# Altium PCB EE4951_BPM_REVA.PcbDoc (part 2 of 3)
Units mil, origin at the board's own origin, x right, y up, seen from the top; angles counter-clockwise.
Board outline 2500 x 2000 mil, 4 copper layers (Top Layer, Ground Plane, Mid Layer 1, Bottom Layer), stack 30.634 mil thick; 227 components, 141 nets, 756 pads, 403 vias.
Unrouted connection lines stored in the file: 7.
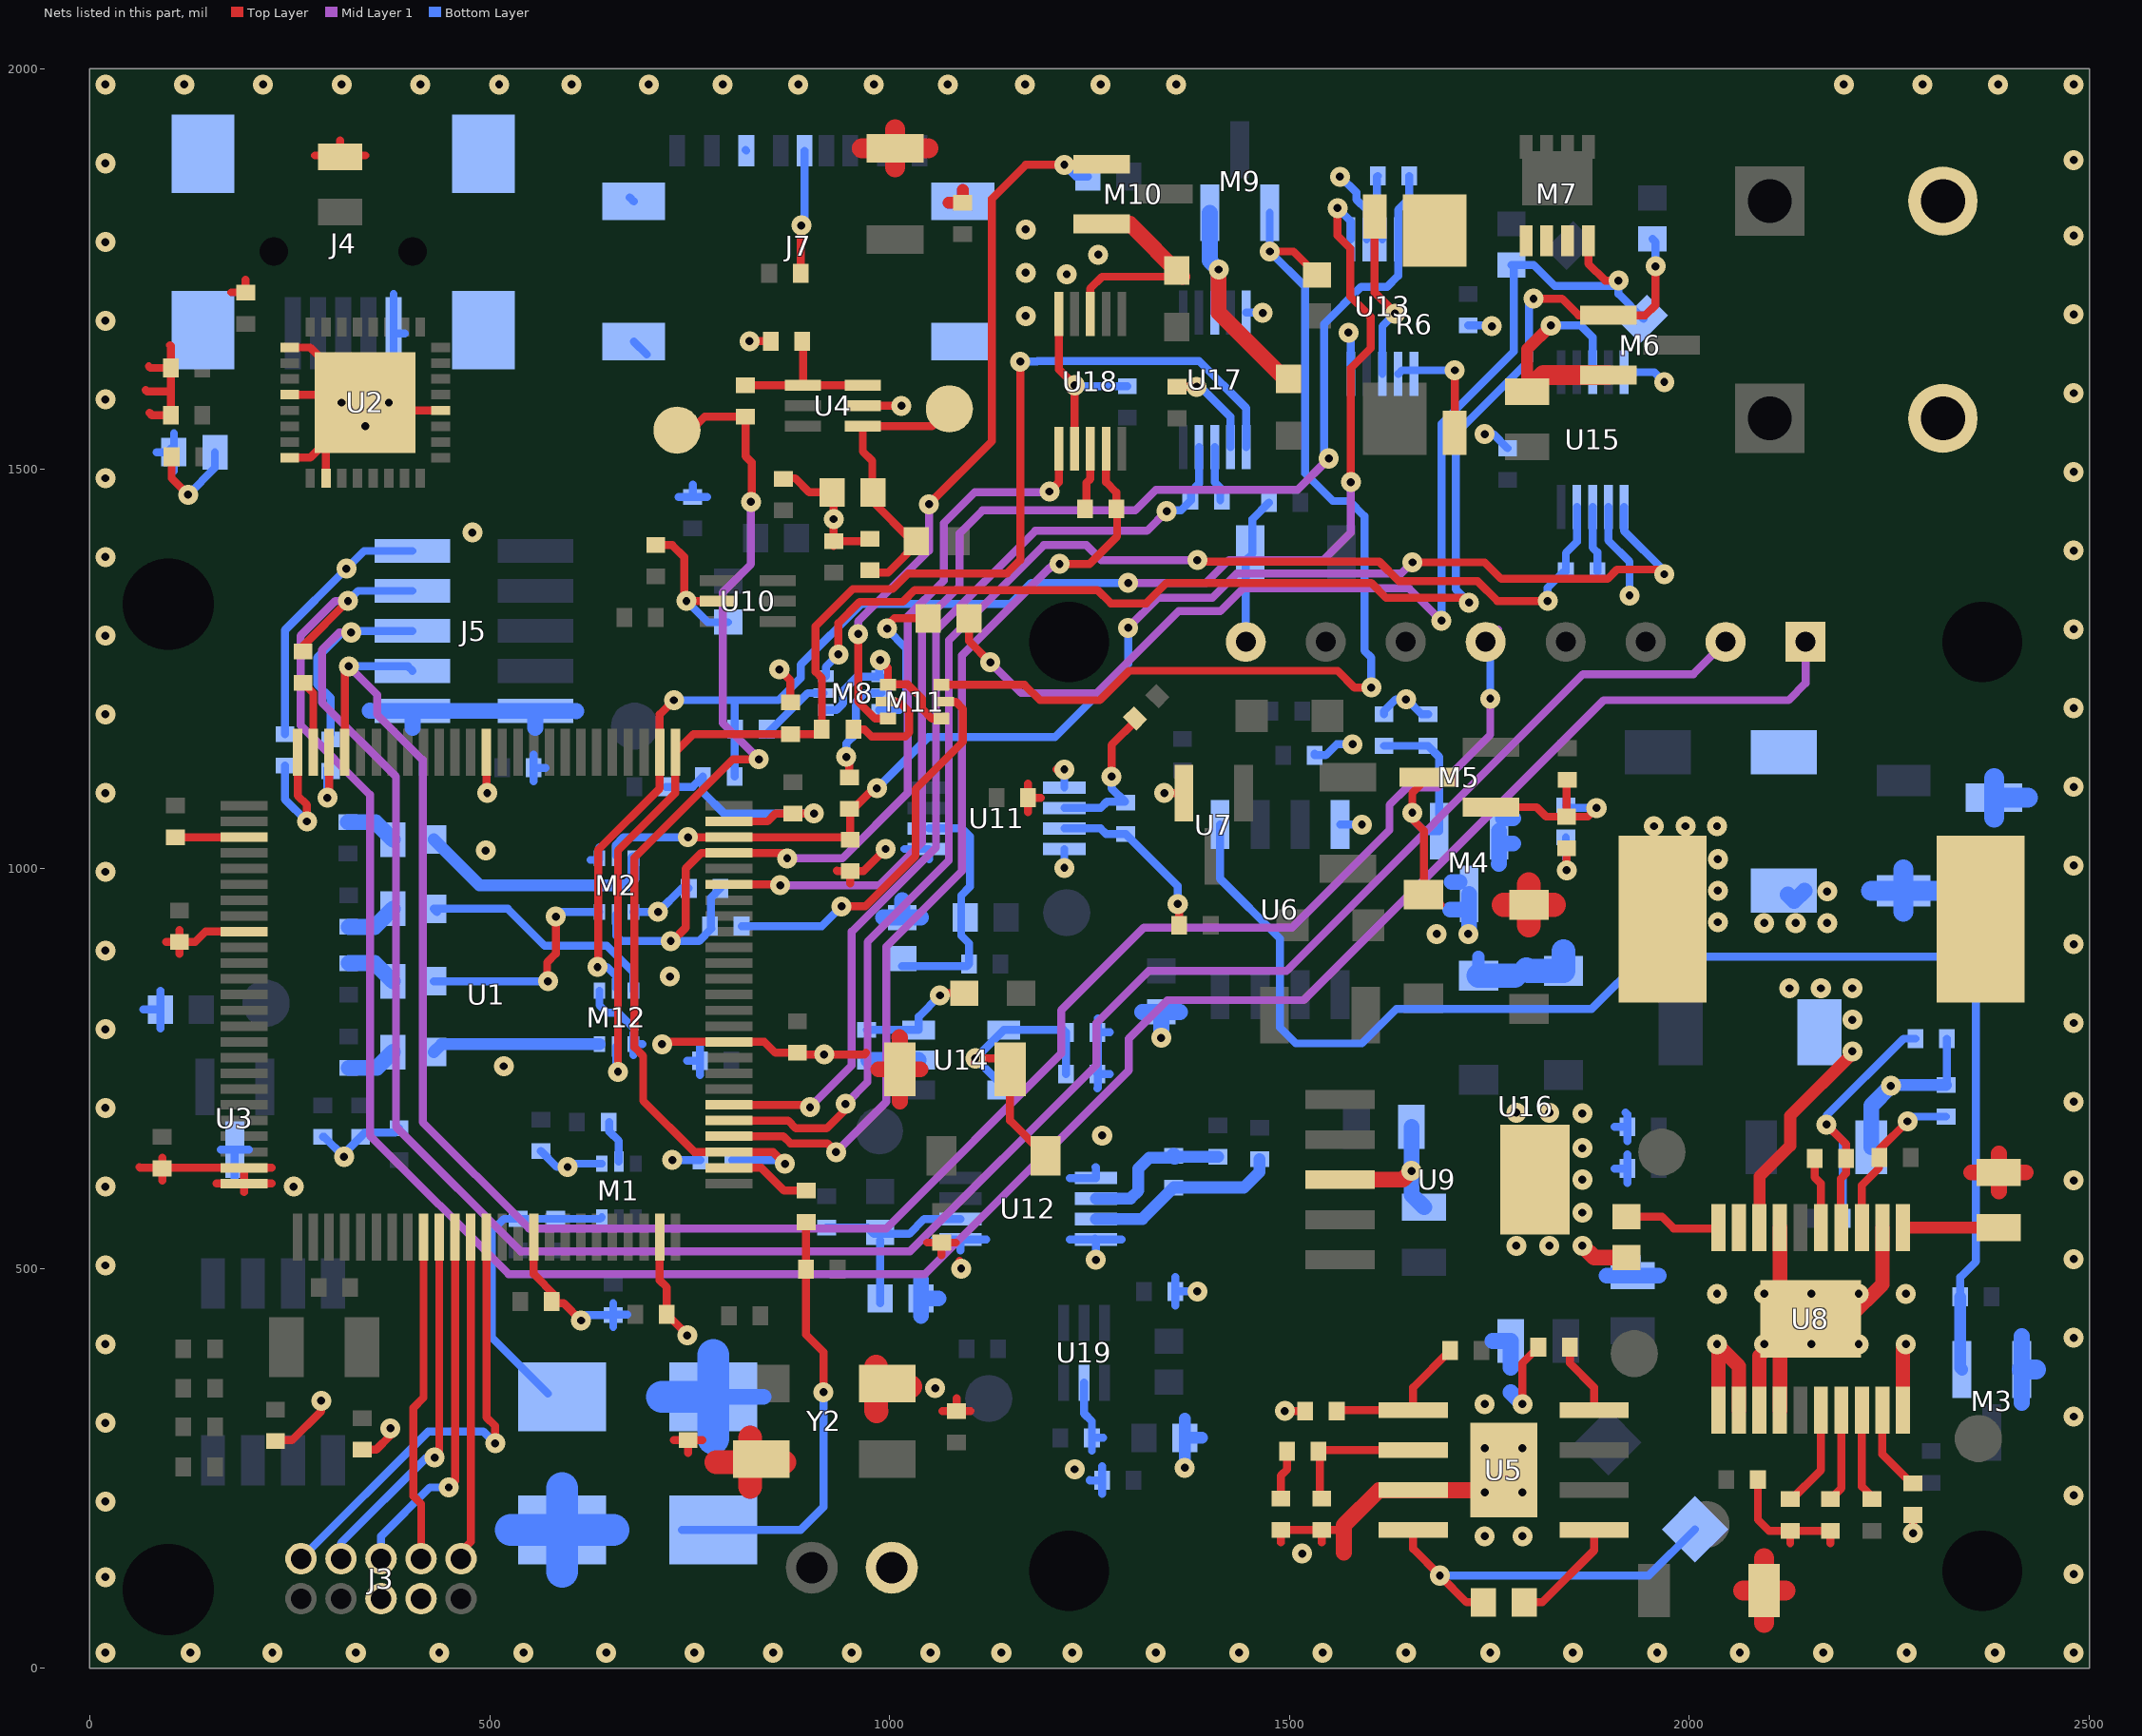
[diagram p4: the nets of this part, all layers, seen from the top]

## Via types
v1: diameter 25, hole 10, Top Layer to Bottom Layer, tented both sides, 360 vias
v2: diameter 25, hole 10, Top Layer to Bottom Layer, 43 vias

## Nets (pads, with @x,y where several pads share a name; then routed paths per layer and width w, separated by ;. In a path a pad name is that pad's centre, name@x,y a point inside that pad or via, vN(x,y) a via of type N, cw(c..) or ccw(c..) an arc to the next point about the centre after c; other vN are vias at no path point) (continued)
DISP_C\S\: J5.3 U1.97 U16.5 | length 2645.7
  Top Layer w10: U1.97@318.9,1145.67 318.9,1248.03 v1(323.82,1252.95)
  Mid Layer 1 w10: v1@331.69,1252.95 v1(323.82,1252.95) 359.25,1217.52 359.25,1192.91 416.34,1135.83 416.34,683.07 549.21,550.2 996.06,550.2 1214.57,768.7 1214.57,822.83 1317.91,926.18 1502.95,926.18 1625,1048.23 1625,1079.72 1646.65,1101.38 1685.04,1101.38 1750.98,1167.32 1750.98,1188.98 v1(1750.98,1212.6) v1@1750,1211.61 ; U16.5@1745.28,1283.46 U16.5@1760.83,1299.02
  Bottom Layer w10: v1(323.82,1252.95) 397.83,1252.95 J5.3@403.54,1247.24 ; U16.5@1745.28,1283.46 1751.97,1276.77 1750.98,1275.79 v1(1750.98,1212.6)
DISP_CLK: J5.5 R75.2 U16.2 | length 2992.6
  Mid Layer 1 w10: v1(326.77,1295.28) 312.01,1295.28 290.35,1273.62 290.35,1207.68 382.87,1115.16 382.87,677.17 538.39,521.65 1025.59,521.65 1258.86,754.92 1258.86,807.09 1323.82,872.05 1496.06,872.05 1867.13,1243.11 2004.92,1243.11 U16.2@2045.28,1283.46 U16.2@2042.32,1286.42
  Bottom Layer w10: R75.2@301.18,1168.31 301.18,1213.58 284.45,1230.32 284.45,1263.78 315.94,1295.28 v1(326.77,1295.28) 328.74,1297.24 J5.5@403.54,1297.24
DISP_MISO: J5.9 R77.2 | length 330.4
  Bottom Layer w10: R77.2@244.09,1168.31 244.09,1298.23 v1(320.87,1375) 343.11,1397.24 J5.9@403.54,1397.24
DISP_MOSI: J5.7 R76.2 U16.1 | length 3160
  Top Layer w10: R76.2@266.73,1271.65 266.73,1278.54 v1(322.83,1334.65)
  Mid Layer 1 w10: v1(322.83,1334.65) 307.09,1334.65 263.78,1291.34 263.78,1179.13 350.39,1092.52 350.39,666.34 523.62,493.11 1044.29,493.11 1299.01,747.83 1299.01,787.4 1347.24,835.63 1517.72,835.63 1892.72,1210.63 2124.02,1210.63 2145.28,1231.89 U16.1@2145.28,1283.46 U16.1@2142.72,1283.46
  Bottom Layer w10: v1(322.83,1334.65) 335.43,1347.24 J5.7@403.54,1347.24
DUT_ISENSE0: C67.2 U1.54 U18.9 | length 1199.5
  Top Layer w10: U1.54@799.21,665.35 867.13,665.35 875.98,656.5 922.24,656.5 v1(933.07,645.67) ; v1(1212.6,1380.91) 1250,1380.91 1284.45,1415.35 1284.45,1448.82 C67.2@1283.46,1449.8 1283.46,1470.47 1270.67,1483.27 U18.9@1270.67,1525
  Mid Layer 1 w10: v1(933.07,645.67) 996.06,708.66 996.06,902.56 1090.55,997.05 1090.55,1266.73 1199.31,1375.49 1199.8,1375 1205.71,1380.91 v1(1212.6,1380.91)
DUT_ISENSE1: C66.2 U1.56 U17.9 | length 1221.4
  Top Layer w10: U1.56@799.21,704.72 898.62,704.72 900.59,702.76 v1(900.59,701.77)
  Mid Layer 1 w10: v1(900.59,701.77) 952.76,753.94 952.76,921.26 1058.07,1026.57 1058.07,1298.23 1182.09,1422.24 1321.85,1422.24 v1(1346.46,1446.85)
  Bottom Layer w10: v1(1346.46,1446.85) 1347.44,1447.83 1364.17,1447.83 1376.97,1460.63 1376.97,1471.46 1386.81,1481.3 U17.9@1386.81,1526.97
DUT_ISENSE2: C63.2 U1.55 U15.9 | length 1762.2
  Top Layer w10: U1.55@799.21,685.04 873.03,685.04 882.87,675.2 921.26,675.2 944.88,698.82 v1(944.93,705.74) v1(944.93,705.74) ; v1(1384.84,1385.83) 1384.84,1383.86 1612.2,1383.86 1636.81,1359.25 1735.24,1359.25 1759.84,1334.65 v1(1822.83,1334.65)
  Mid Layer 1 w10: v1(944.93,705.74) 972.44,733.26 972.44,908.46 1074.07,1010.09 1074.07,1285.68 1192.79,1404.41 1246.19,1404.41 1264.76,1385.83 v1(1384.84,1385.83)
  Bottom Layer w10: v1(1822.83,1334.65) 1822.83,1351.38 1842.52,1371.06 C63.2@1845.47,1371.06 1845.47,1394.69 1859.25,1408.46 U15.9@1859.25,1452.17
DUT_ISENSE3: C61.2 U1.70 U13.9 | length 1589
  Top Layer w10: U1.70@799.21,980.31 862.2,980.31 v1(863.19,979.33)
  Mid Layer 1 w10: v1(863.19,979.33) 987.2,979.33 1040.35,1032.48 1040.35,1306.1 1087.6,1353.35 1087.6,1419.29 1116.14,1447.83 1307.09,1447.83 1332.68,1473.43 1509.84,1473.43 v1(1549.21,1512.8)
  Bottom Layer w10: v1(1549.21,1512.8) 1543.43,1518.58 1543.43,1681.22 1589.57,1727.36 1622.05,1727.36 1635.83,1741.14 U13.9@1635.83,1787.01 1635.83,1823.82 1649.61,1837.6 C61.2@1649.61,1866.14
DUT_ISENSE_RANGE0: M2.2 R67.1 R69.2 U1.72 U18.6 | length 1197.5
  Top Layer w10: v1(726.38,909.45) 728.35,909.45 745.08,926.18 745.08,1000 764.76,1019.69 U1.72@799.21,1019.69 865.16,1019.69 v1(872.05,1012.8) ; v1(1199.86,1471.53) 1211.61,1483.28 U18.6@1211.61,1525
  Mid Layer 1 w10: v1(872.05,1012.8) 940.94,1012.8 1022.64,1094.49 1022.64,1314.96 1067.91,1360.24 1067.91,1432.09 1106.3,1470.47 1200.92,1470.47 v1(1199.86,1471.53)
  Bottom Layer w10: M2.2@658.46,942.91 658.46,916.34 665.35,909.45 v1(726.38,909.45) 761.81,909.45 777.56,925.2 776.57,926.18 776.57,963.58 R69.2@788.39,975.39
DUT_ISENSE_RANGE1: M12.2 R66.1 R68.2 U1.76 U17.6 | length 1685.1
  Top Layer w10: v1@662.4,746.06 v1(660.43,746.06) 660.43,1022.64 732.28,1094.49 U1.76@732.28,1145.67 754.92,1168.31 R68.2@875.98,1168.31 909.45,1168.31 R66.1@915.35,1174.21 915.35,1238.19 907.48,1246.06 907.48,1303.15 953.99,1349.66 1003.94,1349.66 1023.37,1369.09 1146.65,1369.09 1163.39,1385.83 v1(1163.39,1633.86)
  Bottom Layer w10: M12.2@658.46,777.56 658.46,748.03 v1(660.43,746.06) ; v1(1163.39,1633.86) 1184.06,1633.86 1185.04,1634.84 1386.81,1634.84 1445.87,1575.79 U17.6@1445.87,1526.97
DUT_ISENSE_RANGE2: M2.5 R54.1 R59.2 U1.73 U15.6 | length 1648.2
  Top Layer w10: v1(748.03,1039.37) U1.73@799.21,1039.37 947.83,1039.37 R59.2@950.79,1036.42 950.79,1073.82 953.74,1073.82 980.31,1100.39 v1(984.25,1100.39) ; v1(1653.62,1382.94) 1744.09,1382.94 1764.83,1362.2 1897.64,1362.2 1909.45,1374.02 1962.6,1374.02 v1(1968.5,1368.11)
  Mid Layer 1 w10: v1(1298.29,1301.18) 1335.69,1338.58 1403.54,1338.58 1434.06,1369.09 1639.78,1369.09 v1(1653.62,1382.94) 1653.62,1381.97 v1@1653.54,1381.89 ; v1(1968.5,1368.11) v1@1968.5,1372.05
  Bottom Layer w10: M2.5@658.46,1015.75 658.46,1028.54 657.48,1029.53 667.32,1039.37 v1(748.03,1039.37) ; v1(984.25,1100.39) 1048.23,1164.37 1206.69,1164.37 1298.29,1255.97 v1(1298.29,1301.18) ; U15.6@1918.31,1452.17 1918.31,1422.24 1968.5,1372.05 v1(1968.5,1368.11)
DUT_ISENSE_RANGE3: M12.5 R60.1 R61.2 U1.77 U13.6 | length 1943.5
  Top Layer w10: v1(634.84,876.97) 635.7,877.83 635.7,1023.5 712.6,1100.39 712.6,1192.91 v1(730.32,1210.63) ; v1(1560.04,1825.79) 1560.04,1791.34 1575.79,1775.59 1575.79,1715.55 1601.38,1689.96 1601.38,1650.59 1576.77,1625.98 v1(1576.77,1483.27)
  Mid Layer 1 w10: v1(1298.23,1357.28) 1395.67,1357.28 1424.21,1385.83 1542.32,1385.83 1576.77,1420.28 1576.77,1476.23 1583.81,1483.27 v1(1576.77,1483.27)
  Bottom Layer w10: v1(634.84,876.97) 646.65,876.97 658.46,865.16 M12.5@658.46,850.39 ; v1(730.32,1210.63) 806.1,1210.63 ; R61.2@806.1,1115.16 806.1,1167.32 806.1,1210.63 ; v1(1298.23,1357.28) 1177.17,1357.28 1150.59,1330.71 964.57,1330.71 888.78,1254.92 888.78,1238.19 861.22,1210.63 806.1,1210.63 ; v1(1560.04,1825.79) 1576.77,1809.06 U13.6@1576.77,1787.01
DUT_VSENSE: C19.1 R23.2 TP9.1 U1.53 | length 1323.2
  Top Layer w10: TP9.1@758.86,1555.12 768.7,1564.96 R23.2@819.88,1564.96 819.88,1515.75 827.76,1507.87 827.76,1459.65 v1(826.77,1458.66) ; v1(836.61,1136.81) 804.13,1136.81 681.1,1013.78 681.1,776.57 691.93,765.75 691.93,709.65 755.91,645.67 U1.53@799.21,645.67 854.33,645.67 v1(869.09,630.91)
  Mid Layer 1 w10: v1(826.77,1458.66) 826.77,1380.66 791.34,1345.23 791.34,1182.09 v1(836.61,1136.81)
  Bottom Layer w10: C19.1@803.15,635.83 864.17,635.83 v1(869.09,630.91)
DUT_VSENSE_IN: C21.1 R22.1 R24.2 TP10.1 U4.1 | length 371.8
  Top Layer w10: C21.1@977.36,1370.08 998.03,1370.08 1037.4,1409.45 1028.54,1409.45 978.35,1459.65 978.35,1509.84 966.54,1521.65 U4.1@966.54,1553.15 1053.15,1553.15 TP10.1@1074.8,1574.8
DUT_VSENSE_OUT: C20.1 R23.1 U4.3 U4.4 | length 202.2
  Top Layer w10: R23.1@819.88,1604.33 U4.4@891.73,1604.33 ; C20.1@890.75,1659.45 891.73,1658.46 U4.4@891.73,1604.33 ; U4.3@966.54,1604.33 U4.4@891.73,1604.33
GND: C1.2 C2.2 C3.2 C4.2 C5.2 C6.2 C7.2 C8.2 C9.2 C10.2 C11.2 C12.2 C13.1 C14.1 C15.1 C16.1 C17.1 C18.2 C19.2 C20.2 C21.2 C22.2 C23.1 C24.2 C25.2 C26.1 C28.2 C29.1 C30.2 C31.2 C33.1 C34.2 C35.2 C36.2 C37.2 C38.2 C39.2 C41.1 C42.2 C43.2 C44.2 C45.2 C46.2 C49.2 C50.2 C51.2 C52.2 C55.2 C56.2 C57.2 C58.2 C59.2 C60.2 C62.2 C64.2 C65.2 C68.2 C69.2 C70.2 C71.2 C72.2 D1.1 J1.2 J2.2 J3.3 J3.5 J4.5 J4.SH1 J4.SH2 J4.SH3 J4.SH4 J5.1 J5.2 J6.2 J7.P6 J7.S1 J7.S2 J7.S3 J7.S4 M1.1 M2.1 M2.4 M3.2 M8.1 M8.4 M11.1 M11.4 M12.1 M12.4 R2.1 R9.1 R16.1 R24.1 R25.1 R29.1 R31.1 R33.1 R38.1 R39.1 R40.1 R41.1 R44.1 R49.1 R53.1 R55.1 R57.1 R59.1 R61.1 R68.1 R69.1 R74.1 S1.1 S2.1 U1.9 U1.24 U1.25 U1.41 U1.49 U1.60 U1.74 U1.88 U2.0 U2.4 U2.17 U2.20 U2.24 U2.26 U3.3 U4.2 U5.7 U5.9 U6.4 U7.2 U8.0 U8.1 U8.2 U8.3 U8.4 U8.10 U8.12 U8.17 U9.3 U9.6 U10.2 U11.1 U11.4 U11.5 U12.1 U12.4 U12.5 U13.5 U13.7 U14.2 U15.5 U15.7 U16.8 U17.5 U17.7 U18.5 U18.7 U19.2 Y2.1 Y2.3 | length 10556.8
  Top Layer w10: 62.01,626.97 62.99,625.98 C6.2@90.55,625.98 ; 69.88,1598.43 71.85,1596.46 101.38,1596.46 ; 73.82,1627.95 75.79,1625.98 C1.2@101.38,1625.98 ; 74.8,1569.88 77.76,1566.93 C11.2@101.38,1566.93 101.38,1596.46 ; 90.55,610.24 C6.2@90.55,625.98 ; 90.55,638.78 C6.2@90.55,625.98 ; 95.47,908.46 C7.2@112.2,908.46 ; 100.39,1654.53 101.38,1653.54 C1.2@101.38,1625.98 ; 112.2,893.7 C7.2@112.2,908.46 ; 112.2,923.23 C7.2@112.2,908.46 ; 158.46,606.3 U1.25@192.91,606.3 ; 177.17,1720.47 C13.1@194.88,1720.47 194.88,1736.22 ; 192.91,595.47 U1.25@192.91,606.3 ; U1.9@192.91,921.26 144.68,921.26 131.89,908.46 C7.2@112.2,908.46 ; 227.36,606.3 U1.25@192.91,606.3 ; 227.36,625.98 U1.24@192.91,625.98 ; C14.1@232.28,285.43 252.95,285.43 289.37,321.85 v1(289.37,334.65) ; U2.24@250,1513.78 275.59,1513.78 U2.0@295.28,1533.46 ; U2.20@250,1592.52 334.65,1592.52 275.59,1651.57 U2.17@250,1651.57 ; 281.5,1891.73 C10.2@312.99,1891.73 ; U2.26@295.28,1488.19 U2.0@295.28,1533.46 ; C10.2@312.99,1889.76 C10.2@312.99,1891.73 ; 312.99,1910.43 C10.2@312.99,1891.73 ; C15.1@340.55,273.62 358.27,273.62 375.98,291.34 v1(375.98,300.2) ; U2.0@344.49,1582.68 U2.0@295.28,1533.46 ; 344.49,1891.73 C10.2@312.99,1891.73 ; U2.0@354.33,1572.83 U2.4@438.98,1572.83 ; U1.88@496.06,1145.67 496.06,1095.47 v1(497.05,1094.49) ; U1.41@555.12,539.37 555.12,493.11 582.68,465.55 582.68,456.69 592.52,456.69 v1(614.17,435.04) ; C50.2@707.68,1404.53 728.35,1404.53 743.11,1389.76 743.11,1337.6 v1(746.06,1334.65) U10.2@785.43,1334.65 ; U1.49@712.6,539.37 712.6,485.24 721.46,476.38 C5.2@721.46,442.91 747.05,417.32 v1(747.05,416.34) ; v1(715.55,780.51) 718.5,783.46 U1.60@799.21,783.46 843.5,783.46 857.28,769.69 C4.2@884.84,769.69 886.81,767.72 v1(918.31,767.72) 968.5,767.72 970.47,769.69 ; 730.32,285.43 C16.1@748.03,285.43 ; 748.03,269.68 C16.1@748.03,285.43 ; 765.75,285.43 C16.1@748.03,285.43 ; U1.74@799.21,1059.06 847.44,1059.06 857.28,1068.9 C3.2@878.94,1068.9 v1(905.51,1068.9) ; v1(824.8,1659.45) C20.2@851.38,1659.45 ; v1(862.2,1249.02) 875.98,1235.24 R68.1@875.98,1207.68 ; C18.2@875,1488.19 881.89,1488.19 899.61,1470.47 916.34,1470.47 930.12,1456.69 v1(930.12,1437.01) C62.2@930.12,1403.54 ; C62.2@930.12,1409.45 C21.2@971.46,1409.45 ; 934.06,997.54 934.55,997.05 R59.1@950.79,997.05 ; 950.79,981.3 R59.1@950.79,997.05 ; U4.2@966.54,1578.74 v1(1014.76,1578.74) ; v1@986.22,1262.8 v1(988.19,1260.83) 998.03,1250.98 M11.1@998.03,1229.84 998.5,1230.32 1022.64,1230.32 1040.61,1212.35 1040.61,1199.8 1052.93,1187.48 M11.4@1064.96,1187.48 ; v1(995.08,1024.61) 967.52,997.05 R59.1@950.79,997.05 ; 1047.24,532.48 C52.2@1064.96,532.48 ; v1@1057.09,348.43 v1(1057.09,350.39) ; 1064.96,516.73 C52.2@1064.96,532.48 ; 1065.94,321.85 C17.1@1083.66,321.85 ; 1082.68,532.48 C52.2@1064.96,532.48 ; 1083.66,337.6 C17.1@1083.66,321.85 ; v1@1087.6,509.84 1087.6,501.97 v1(1089.57,500) ; 1100.89,321.85 C17.1@1083.66,321.85 ; 1173.23,1070.87 C46.2@1173.23,1088.58 ; 1173.23,1106.3 C46.2@1173.23,1088.58 ; 1188.98,1088.58 C46.2@1173.23,1088.58 ; v1@1208.66,1124.02 v1(1218.5,1124.02) ; U18.5@1211.61,1693.5 1211.61,1624.02 v1(1231.3,1604.33) U18.7@1231.3,1525 ; v1(1343.5,1094.49) 1367.72,1094.49 U7.2@1367.97,1094.24 ; C65.2@1359.25,1602.36 v1(1383.86,1602.36) ; 1489.17,157.48 R29.1@1489.17,170.28 ; R29.1@1489.17,173.23 R29.1@1489.17,170.28 ; v1(1494.09,321.85) R25.1@1519.69,321.85 ; v1(1515.75,143.7) v1@1515.75,148.62 ; 1540.35,157.48 C33.1@1540.35,173.23 ; 1558.07,173.23 C33.1@1540.35,173.23 ; v1(1590.55,1055.12) v1@1592.52,1057.09 ; v1(1791.34,330.65) 1791.34,381.89 C34.2@1811.02,401.57 ; v1(1846.46,998.03) R33.1@1846.46,1025.59 ; C43.2@1919.29,515.75 C43.2@1921.26,513.78 ; C29.1@2085.63,236.22 2085.63,186.02 2099.41,172.24 R41.1@2125.98,172.24 ; 2125.98,156.5 R41.1@2125.98,172.24 ; R40.1@2175.2,172.24 R40.1@2176.18,172.24 ; 2176.18,156.5 R40.1@2176.18,172.24 ; v1(2279.53,169.29) C42.2@2279.53,191.93 ; C6.2@90.55,625.98 U1.24@192.91,625.98 ; 101.38,1596.46 C1.2@101.38,1625.98 ; U1.25@192.91,606.3 U1.24@192.91,625.98 ; R29.1@1489.17,170.28 1492.13,173.23 C33.1@1540.35,173.23 ; R41.1@2125.98,172.24 R40.1@2176.18,172.24
  Top Layer w15: 1073.82,1832.68 C2.2@1091.54,1832.68 1091.54,1848.43
  Top Layer w18: v1(2034.45,405.51) v1@2036.42,403.54 ; U8.1@2036.42,322.83 v1@2036.42,403.54 ; U8.2@2062.01,322.83 2062.01,377.95 v1@2036.42,403.54 ; U8.3@2087.6,322.83 2087.6,390.75 2133.86,437.01 U8.0@2151.57,437.01 ; U8.4@2113.19,322.83 2113.19,398.62 U8.0@2151.57,437.01 ; U8.17@2113.19,551.18 2113.19,475.39 U8.0@2151.57,437.01 ; U8.12@2241.14,551.18 2241.14,480.31 2197.83,437.01 U8.0@2151.57,437.01 ; U8.10@2266.73,322.83 2266.73,401.57 v1(2270.67,405.51)
  Top Layer w20: 986.22,749.02 C57.2@1012.8,749.02 ; 1012.3,789.37 1012.8,788.88 C57.2@1012.8,749.02 ; 1012.8,709.15 C57.2@1012.8,749.02 ; 1038.39,749.02 C57.2@1012.8,749.02 ; U9.3@1562.99,611.22 1641.73,611.22 v1(1652.56,622.05) ; 1567.91,144.68 1567.91,179.13 1611.75,222.97 U5.7@1654.53,222.97 U5.9@1742.72,222.97 ; v1(1866.14,528.54) 1880.91,513.78 C43.2@1921.26,513.78 ; 2352.36,620.08 C41.1@2386.81,620.08 ; 2386.81,596.46 C41.1@2386.81,620.08 ; 2386.81,643.7 C41.1@2386.81,620.08 ; 2420.43,620.08 C41.1@2386.81,620.08
  Top Layer w25: 965.55,1900.59 C23.1@1006.89,1900.59 ; 1006.89,1876.97 C23.1@1006.89,1900.59 ; 1006.89,1924.21 C23.1@1006.89,1900.59 ; 1048.23,1900.59 C23.1@1006.89,1900.59 ; 2066.93,97.44 C28.2@2093.5,97.44 ; 2093.5,57.09 C28.2@2093.5,97.44 ; 2093.5,137.8 C28.2@2093.5,97.44 ; 2120.08,97.44 C28.2@2093.5,97.44
  Top Layer w30: 783.46,257.87 Y2.3@825.79,257.87 ; 825.79,227.36 Y2.3@825.79,257.87 ; 825.79,288.39 Y2.3@825.79,257.87 ; Y2.3@868.11,257.87 Y2.3@825.79,257.87 ; Y2.1@983.27,376.97 Y2.1@983.27,352.36 ; 983.76,321.85 983.27,322.34 Y2.1@983.27,352.36 ; Y2.1@1025.59,352.36 Y2.1@983.27,352.36
  Bottom Layer w10: 66.93,823.82 C9.2@88.58,823.82 ; 83.66,1520.67 D1.1@105.31,1520.67 ; 88.58,800.2 C9.2@88.58,823.82 ; 88.58,847.44 C9.2@88.58,823.82 ; D1.1@101.38,1525.59 D1.1@105.31,1521.65 ; 105.31,1497.05 D1.1@105.31,1520.67 ; 105.31,1544.29 D1.1@105.31,1521.65 ; D1.1@107.28,1519.69 D1.1@105.31,1521.65 ; 163.88,648.57 U3.3@181.24,648.57 ; 181.1,607.28 181.24,607.42 U3.3@181.24,648.57 ; 198.82,648.62 198.77,648.57 U3.3@181.24,648.57 ; R2.1@291.34,664.57 293.11,664.57 v1(317.91,639.76) 317.91,643.9 C8.2@338.58,664.57 344.29,670.28 381.89,670.28 C24.2@386.81,675.2 ; v1(374.02,1582.68) v1@379.92,1588.58 ; 379.92,1620.08 J4.5@379.92,1669.29 ; 379.92,1718.5 J4.5@379.92,1669.29 ; 393.7,1669.29 J4.5@379.92,1669.29 ; 555.12,1109.25 C22.2@555.12,1125.98 ; 555.12,1142.72 C22.2@555.12,1125.98 ; R9.1@563.98,646.85 583.86,626.97 v1(597.44,626.97) 601.57,631.1 M1.1@640.24,631.1 ; 569.88,1125.98 C22.2@555.12,1125.98 ; S1.1@590.55,171.26 589.57,172.24 S1.1@590.55,173.23 ; v1(614.17,435.04) 621.06,441.93 C12.2@654.53,441.93 ; 625.98,1010.86 635.86,1010.86 636.81,1011.81 636.81,1026.08 637.28,1026.56 M2.4@637.28,1012.8 ; M12.4@637.28,847.44 637.28,829.25 646.65,819.88 660.43,819.88 681.1,799.21 ; 654.53,427.17 C12.2@654.53,441.93 ; 654.53,456.69 C12.2@654.53,441.93 ; 672.24,442.42 655.02,442.42 C12.2@654.53,441.93 ; J7.S4@675.2,1839.17 J7.S4@680.12,1834.25 ; 679.65,766.75 M12.1@679.65,780.51 ; 679.65,794.27 M12.1@679.65,780.51 ; M2.1@679.65,945.87 v1(710.63,945.87) 740.16,975.39 R69.1@749.02,975.39 ; J7.S3@680.12,1659.06 J7.S3@696.46,1642.72 ; 690.94,780.51 M12.1@679.65,780.51 ; C49.2@720.47,1102.36 753.94,1102.36 R61.1@766.73,1115.16 766.73,1095.47 793.31,1068.9 v1(905.51,1068.9) ; v1(728.35,635.83) C19.2@763.78,635.83 ; 736.22,1464.57 C51.2@753.94,1464.57 ; v1(746.06,1334.65) 772.64,1308.07 R44.1@798.23,1308.07 ; v1(747.05,416.34) v1@748.03,417.32 ; 747.05,759.84 C70.2@762.8,759.84 ; S2.1@748.03,334.65 S2.1@748.03,339.57 ; 753.94,1480.32 C51.2@753.94,1464.57 ; 762.8,742.13 C70.2@762.8,759.84 ; 762.8,777.56 C70.2@762.8,759.84 ; 771.65,1464.57 C51.2@753.94,1464.57 ; J7.P6@819.88,1898.62 J7.P6@820.87,1897.64 ; M8.1@920.28,1198.31 933.54,1198.31 941.93,1206.69 941.93,1222.44 959.65,1240.16 M8.4@989.17,1240.16 ; R57.1@971.46,758.86 R57.1@973.43,760.83 ; M8.4@987.2,1240.67 987.2,1259.84 v1(988.19,1260.83) ; 1018.7,1024.61 U11.5@1049.21,1024.61 1049.21,1011.81 ; 1056.1,536.42 1121.06,536.42 ; v1@1088.58,500.98 v1(1089.57,500) ; 1088.58,522.64 U12.5@1088.58,536.42 ; v1(1218.5,1000.98) U11.4@1218.5,1024.61 ; U11.1@1218.5,1101.38 v1(1218.5,1124.02) ; 1225.39,536.42 U12.4@1257.87,536.42 ; 1225.39,613.19 U12.1@1257.87,613.19 1257.87,626.48 1257.38,626.97 ; v1(1231.3,1604.33) 1232.28,1603.35 C64.2@1297.24,1603.35 ; U19.2@1243.19,357.28 1243.19,318.82 1252.95,309.06 C71.2@1252.95,288.39 ; 1250,235.73 1250.49,235.24 C72.2@1265.75,235.24 ; 1252.95,272.15 C71.2@1252.95,288.39 ; U12.4@1256.89,537.4 U12.4@1257.87,536.42 ; v1(1257.87,510.83) U12.4@1257.87,536.42 ; 1259.84,725.39 1260.33,725.89 R55.1@1260.33,743.11 ; R55.1@1259.84,743.11 R55.1@1260.33,743.11 ; C58.2@1259.84,795.28 C58.2@1260.33,795.28 ; 1260.33,812.99 C58.2@1260.33,795.28 ; 1265.75,218.5 C72.2@1265.75,235.24 ; 1265.75,252.95 C72.2@1265.75,235.24 ; 1267.22,288.39 C71.2@1252.95,288.39 ; 1275.59,743.11 R55.1@1260.33,743.11 ; 1275.59,795.28 C58.2@1260.33,795.28 ; 1290.35,536.42 U12.4@1257.87,536.42 ; 1357.28,453.74 C69.2@1357.28,471.46 ; 1357.28,489.17 C69.2@1357.28,471.46 ; v1(1383.86,1602.36) 1388.78,1602.36 1426.18,1564.96 U17.7@1426.18,1526.97 ; v1(1384.84,471.46) C69.2@1357.28,471.46 ; U16.8@1445.28,1283.46 1445.28,1385.24 1453.74,1393.7 1453.74,1437.01 C55.2@1474.41,1457.68 ; U17.5@1445.87,1695.47 1465.94,1695.47 v1(1466.54,1694.88) ; R16.1@1531.5,1143.7 R16.1@1531.5,1141.73 1545.28,1141.73 1559.06,1155.51 v1(1578.74,1155.51) ; v1(1562.99,1865.16) 1563.98,1865.16 1583.66,1845.47 1583.66,1836.61 1596.46,1823.82 U13.7@1596.46,1787.01 ; U6.4@1563.19,1055.12 v1(1590.55,1055.12) ; v1(1573.82,1670.28) 1576.77,1667.32 U13.5@1576.77,1618.5 ; C35.2@1618.11,1192.91 1618.11,1196.85 1632.87,1211.61 v1(1645.67,1211.61) 1646.65,1211.61 1665.35,1192.91 R31.1@1673.23,1192.91 ; C59.2@1723.43,1679.13 1751.97,1679.13 v1(1752.95,1678.15) ; v1(1744.09,1543.31) 1754.92,1543.31 C60.2@1772.64,1525.59 ; C68.2@1845.47,1039.37 1845.47,1012.8 1846.46,1011.81 ; v1(1866.14,528.54) v1@1867.13,527.56 ; U15.7@1898.62,1452.17 1898.62,1410.43 1925.2,1383.86 v1(1925.2,1341.54) ; 1906.5,625 C37.2@1922.24,625 ; 1906.5,677.17 C38.2@1922.24,677.17 ; U15.5@1918.31,1620.67 1956.1,1620.67 v1(1968.5,1608.27) ; 1920.28,694.88 1922.24,692.91 C38.2@1922.24,677.17 ; 1922.24,607.28 C37.2@1922.24,625 ; 1922.24,642.72 C37.2@1922.24,625 ; 1922.24,659.45 C38.2@1922.24,677.17 ; v1(2251.97,728.35) v1@2252.95,729.33 ; R39.1@2320.87,729.33 2321.85,730.32 R38.1@2321.85,787.4 ; 2415.35,331.69 2415.5,331.83 ; 2415.35,415.35 2415.5,415.21 ; D1.1@105.31,1520.67 D1.1@105.31,1521.65 ; R55.1@1260.33,743.11 C58.2@1260.33,795.28
  Bottom Layer w15: v1(1369.09,250.98) R74.1@1369.09,288.39 ; 1369.09,312.01 R74.1@1369.09,288.39 ; 1390.75,288.39 R74.1@1369.09,288.39 ; v1@2252.95,729.33 R39.1@2320.87,729.33
  Bottom Layer w20: 350.39,1197.34 350.49,1197.24 J5.1@403.54,1197.24 ; 403.54,1176.18 J5.1@403.54,1197.24 ; 557.09,1176.18 J5.2@557.09,1197.24 ; 608.27,1196.85 607.87,1197.24 J5.2@557.09,1197.24 ; S2.1@779.53,339.57 842.52,339.57 ; R57.1@973.43,760.83 U14.2@1036.42,760.83 ; 992.13,938.98 R49.1@1015.75,938.98 ; 1015.75,960.63 R49.1@1015.75,938.98 ; 1039.37,440.94 R53.1@1039.37,462.6 ; 1039.37,486.22 R53.1@1039.37,462.6 ; 1039.37,938.98 R49.1@1015.75,938.98 ; 1061.02,462.6 R53.1@1039.37,462.6 ; 1315.95,820.87 C26.1@1339.57,820.87 ; v1(1339.57,788.39) C26.1@1339.57,820.87 ; 1363.19,820.87 C26.1@1339.57,820.87 ; C44.2@1652.56,677.17 1652.56,592.52 C45.2@1668.31,576.77 ; 1753.94,409.45 C30.2@1776.57,409.45 1776.57,375.98 ; 1776.57,345.41 v1(1791.34,330.65) ; 1896.65,491.14 C31.2@1929.13,491.14 ; 1929.13,512.8 C31.2@1929.13,491.14 ; 1961.61,491.14 C31.2@1929.13,491.14 ; C39.2@2227.36,651.57 2227.36,703.74 v1(2251.97,728.35) ; 2415.5,331.83 M3.2@2415.5,373.77 2415.5,415.21 ; J5.1@403.54,1197.24 J5.2@557.09,1197.24
  Bottom Layer w25: 2380.91,1063.98 C36.2@2380.91,1088.58 ; 2380.91,1113.19 C36.2@2380.91,1088.58 ; M3.2@2415.5,373.77 2432.82,373.77 2433.07,373.52 ; 2423.23,1088.58 C36.2@2380.91,1088.58
  Bottom Layer w40: 526.57,173.23 S1.1@590.55,173.23 ; 590.55,121.06 S1.1@590.55,171.26 ; 590.55,225.39 S1.1@590.55,173.23 ; 654.53,173.23 S1.1@590.55,173.23 ; 715.55,339.57 748.03,339.57 S2.1@779.53,339.57 ; 779.53,287.4 S2.1@779.53,339.57 ; 779.53,391.73 S2.1@779.53,339.57
  other v1: 19.68,19.68 228.35,19.68 437.01,19.68 645.67,19.68 854.33,19.68 1051.18,19.68 1228.35,19.68 1437.01,19.68 1645.67,19.68 1854.33,19.68 2062.99,19.68 2271.65,19.68 2480.32,19.68 1744.09,165.29 1791.34,165.29 19.68,208.66 2480.32,216.54 1744.09,220.41 1791.34,220.41 1231.3,249.02 1744.09,275.53 1791.34,275.53 1744.09,330.65 19.68,405.51 2093.5,405.51 2152.56,405.51 2211.61,405.51 2480.32,413.39 2034.45,468.5 2093.5,468.5 2152.56,468.5 2211.61,468.5 2270.67,468.5 1783.46,528.54 1824.8,528.54 1866.14,569.88 19.68,602.36 254.92,602.36 2480.32,610.24 1866.14,611.22 1866.14,650.59 1265.75,666.34 1866.14,693.9 1783.46,694.88 1824.8,694.88 517.72,752.95 19.68,799.21 2480.32,807.09 725.39,865.16 19.68,996.06 2480.32,1003.94 495.08,1022.64 19.68,1192.91 2480.32,1200.79 19.68,1389.76 2480.32,1397.64 478.35,1420.28 344.49,1553.15 314.96,1582.68 19.68,1586.61 2480.32,1594.49 1170.28,1690.94 1221.46,1743.11 1170.28,1745.08 1260.83,1767.72 19.68,1783.46 2480.32,1791.34 1170.28,1799.21 19.68,1980.32 216.54,1980.32 413.39,1980.32 602.36,1980.32 791.34,1980.32 980.32,1980.32 1169.29,1980.32 1358.27,1980.32 2291.34,1980.32 2480.32,1980.32
  other v2: 125.98,19.68 332.68,19.68 542.32,19.68 755.91,19.68 952.76,19.68 1139.76,19.68 1332.68,19.68 1541.34,19.68 1750.98,19.68 1959.65,19.68 2167.32,19.68 2381.89,19.68 19.68,114.17 2480.32,118.11 19.68,307.09 2480.32,314.96 19.68,503.94 2480.32,511.81 19.68,700.79 2480.32,708.66 19.68,897.64 2480.32,905.51 19.68,1094.49 2480.32,1102.36 19.68,1291.34 2480.32,1299.21 19.68,1488.19 2480.32,1496.06 19.68,1685.04 2480.32,1692.91 19.68,1881.89 2480.32,1885.83 118.11,1980.32 314.96,1980.32 511.81,1980.32 698.82,1980.32 885.83,1980.32 1072.83,1980.32 1263.78,1980.32 2192.91,1980.32 2385.83,1980.32
JTAG_TCLK: J3.4 U1.34 | length 415.3
  Top Layer w10: J3.4@405.31,137.2 414.37,146.26 414.37,205.71 404.53,215.55 404.53,325.79 417.32,338.58 U1.34@417.32,539.37
JTAG_TDI: J3.8 U1.35 | length 471.1
  Top Layer w10: v1(431.1,263.78) 431.1,265.75 437.01,271.65 U1.35@437.01,539.37
  Bottom Layer w10: J3.8@305.31,137.2 J3.8@313.98,145.87 ; J3.8@314.17,137.2 314.17,156.69 421.26,263.78 v1(431.1,263.78)
JTAG_TDO: J3.6 U1.36 | length 464.1
  Top Layer w10: v1(448.82,226.38) 456.69,234.25 U1.36@456.69,539.37
  Bottom Layer w10: J3.6@357.28,128.94 J3.6@364.17,135.83 ; J3.6@364.17,137.2 364.17,165.35 425.2,226.38 v1(448.82,226.38)
JTAG_TMS: J3.2 U1.37 | length 410.9
  Top Layer w10: J3.2@455.32,137.2 476.38,158.27 U1.37@476.38,539.37
JTAG_TRST: J3.10 U1.38 | length 577.1
  Top Layer w10: U1.38@496.06,539.37 496.06,313.98 506.89,303.15 v1(506.89,281.5)
  Bottom Layer w10: J3.10@264.17,137.2 423.23,296.26 492.13,296.26 v1(506.89,281.5)
MCU_RESET: R3.1 R4.1 S1.2 | length 554.3
  Top Layer w10: R4.1@895.67,558.07 R3.1@895.67,499.02 895.67,417.32 917.32,395.67 v1(917.32,345.47)
  Bottom Layer w10: S1.2@740.16,173.23 888.78,173.23 917.32,201.77 v1(917.32,345.47)
NetC27_1: C27.1 U5.1 | length 139.8
  Top Layer w10: C27.1@1793.31,82.68 1815.94,82.68 1880.91,147.64 U5.1@1880.91,172.97
NetC27_2: C27.2 L1.1 U5.8 | length 481.7
  Top Layer w10: U5.8@1654.53,172.97 1654.53,149.61 v1(1687.99,116.14) 1721.46,82.68 C27.2@1742.13,82.68
  Bottom Layer w10: v1(1687.99,116.14) 1949.13,116.14 L1.1@2007.05,174.05
NetC32_1: C32.1 R29.2 | length 62.3
  Top Layer w10: R29.2@1489.17,212.6 1489.17,241.14 1497.05,249.02 C32.1@1497.05,271.65
NetC32_2: C32.2 C33.2 U5.6 | length 178.3
  Top Layer w10: C33.2@1540.35,212.6 1537.73,215.22 1537.73,272.97 U5.6@1654.53,272.97
NetC34_1: C34.1 U5.4 | length 91.2
  Top Layer w10: C34.1@1850.39,401.57 1850.39,381.89 1880.91,351.38 U5.4@1880.91,322.97
NetC35_1: C35.1 D7.2 M4.1 M5.3 R31.2 | length 397.4
  Top Layer w10: M5.3@1672.98,1114.31 1653.54,1094.87 v1(1653.54,1069.88) 1653.54,1062.01 1668.31,1047.24 1668.31,975.39 D7.2@1688.98,954.72
  Bottom Layer w10: C35.1@1618.11,1153.54 R31.2@1673.23,1153.54 1687.15,1139.62 M4.1@1687.15,1047 1668.55,1047 1653.54,1062.01 v1(1653.54,1069.88)
NetC36_1: C36.1 D9.1 R34.1 U8.19 | length 285.4
  Bottom Layer w20: D9.1@2123.03,967.52 2130.91,959.65 D9.1@2143.7,972.44 ; C36.1@2378.94,972.44 C36.1@2380.91,974.41
  Bottom Layer w25: 2227.36,972.44 R34.1@2267.72,972.44 ; 2267.72,945.87 R34.1@2267.72,972.44 ; 2267.72,999.02 R34.1@2267.72,972.44 ; C36.1@2378.94,972.44 R34.1@2267.72,972.44 ; 2381.4,950.79 2380.91,951.28 C36.1@2380.91,974.41 2381.4,974.9 2381.4,999.02
  other v1: 2093.5,932.09 2132.87,932.09 2172.24,932.09 2172.24,971.46
NetC40_1: C40.1 U8.15 | length 89.9
  Top Layer w10: C40.1@2156.5,637.8 2156.5,614.17 2164.37,606.3 U8.15@2164.37,551.18
NetC40_2: C40.2 R36.1 R38.2 U8.14 | length 430.1
  Top Layer w10: v1(2171.26,680.12) 2195.87,655.51 C40.2@2195.87,637.8 2195.87,619.09 2188.98,612.2 2188.98,552.17 U8.14@2189.96,551.18
  Bottom Layer w10: R36.1@2191.93,562.99 2191.93,659.45 v1(2171.26,680.12) 2171.26,690.94 2267.72,787.4 R38.2@2282.48,787.4
NetC41_2: C41.2 U8.11 | length 122
  Top Layer w15: U8.11@2266.73,551.18 C41.2@2388.78,551.18
NetC42_1: C42.1 U8.9 | length 108
  Top Layer w10: U8.9@2241.14,322.83 2241.14,267.72 C42.1@2278.54,230.31
NetC43_1: C43.1 U8.20 | length 122.7
  Top Layer w10: C43.1@1921.26,564.96 1965.55,564.96 1980.31,550.2 U8.20@2036.42,550.2 ; U8.20@2035.43,550.2 U8.20@2036.42,551.18
NetC47_1: C47.1 R43.2 U11.2 | length 202.1
  Top Layer w10: v1(1277.56,1115.16) 1277.56,1154.53 R43.2@1309.55,1186.52
  Bottom Layer w10: U11.2@1218.5,1075.79 1263.78,1075.79 1271.65,1083.66 1294.29,1083.66 1277.56,1100.39 v1(1277.56,1115.16)
NetC47_2: C47.2 R46.2 U11.3 | length 221.5
  Top Layer w10: v1(1360.24,955.71) 1362.2,953.74 R46.2@1362.2,929.13
  Bottom Layer w10: U11.3@1218.5,1050.2 1263.78,1050.2 1270.67,1043.31 C47.2@1295.28,1043.31 1360.24,978.35 v1(1360.24,955.71)
NetC48_2: C48.2 R47.1 R49.2 U11.6 | length 308.2
  Bottom Layer w10: R49.2@1015.75,877.95 1096.46,877.95 C48.2@1099.41,880.91 1099.41,906.5 1089.57,916.34 1089.57,966.54 1100.39,977.36 1100.39,1040.35 1090.55,1050.2 U11.6@1049.21,1050.2
NetC53_1: C53.1 R50.2 U12.2 | length 191.1
  Bottom Layer w10: C53.1@1353.35,638.78 C53.1@1355.32,640.75
  Bottom Layer w15: U12.2@1257.87,587.6 1301.18,587.6 1311.02,597.44 1311.02,625 1324.8,638.78 C53.1@1353.35,638.78 ; C53.1@1356.3,639.76 R50.2@1410.43,639.76
  Bottom Layer w20: C53.1@1355.32,640.75 C53.1@1356.3,639.76
NetC53_2: C53.2 R51.2 U12.3 | length 244.9
  Bottom Layer w15: U12.3@1257.87,562.01 1315.94,562.01 C53.2@1355.32,601.38 1442.91,601.38 1462.6,621.06 R51.2@1462.6,636.81
NetC54_2: C54.2 R52.1 R53.2 U12.6 | length 257.1
  Bottom Layer w10: C54.2@921.26,551.18 972.44,551.18 980.31,543.31 1024.61,543.31 1043.31,562.01 U12.6@1088.58,562.01 ; R53.2@988.19,456.69 R52.1@988.19,535.43
NetC57_1: C57.1 C58.1 D11.1 R55.2 U14.4 U14.5 | length 410.9
  Top Layer w10: v1(1107.28,762.8) 1136.81,762.8 C57.1@1150.59,749.02 1150.59,685.04 D11.1@1194.88,640.75
  Bottom Layer w10: U14.5@1142.72,723.43 1142.72,727.36 v1(1107.28,762.8) U14.4@1142.72,798.23 1217.52,798.23 C58.1@1220.47,795.28 R55.2@1220.47,743.11
NetC61_1: C61.1 U13.8 | length 82.4
  Bottom Layer w10: C61.1@1610.24,1866.14 1609.25,1865.16 1609.25,1837.6 1616.14,1830.71 U13.8@1616.14,1787.01
NetC63_1: C63.1 U15.8 | length 83.5
  Bottom Layer w10: U15.8@1878.94,1452.17 1878.94,1401.57 1884.84,1395.67 C63.1@1884.84,1371.06
NetC66_1: C66.1 U17.8 | length 69.2
  Bottom Layer w10: U17.8@1406.5,1526.97 1406.5,1483.27 1413.39,1476.38 C66.1@1413.39,1460.63
NetC67_1: C67.1 U18.8 | length 78.1
  Top Layer w10: C67.1@1244.09,1449.8 1246.06,1451.77 1246.06,1482.28 1250.98,1487.2 U18.8@1250.98,1525
NetC68_1: C68.1 M5.1 R32.1 R33.2 | length 240.7
  Top Layer w10: M5.1@1751.72,1076.91 1808.91,1076.91 1820.87,1064.96 R33.2@1846.46,1064.96 ; R32.1@1847.44,1111.22 1846.46,1110.24 R33.2@1846.46,1064.96 ; v1@1875.98,1075.79 v1(1883.86,1075.79) ; v1@1880.91,1078.74 v1(1883.86,1075.79) ; R33.2@1846.46,1064.96 1873.03,1064.96 v1(1883.86,1075.79)
  Bottom Layer w10: C68.1@1845.47,1078.74 1846.46,1079.72 1850.39,1075.79 v1(1883.86,1075.79)
NetD1_2: D1.2 R1.1 | length 122.8
  Top Layer w10: R1.1@102.36,1514.76 102.36,1488.19 v1(123.03,1467.52)
  Bottom Layer w10: v1(123.03,1467.52) 156.5,1500.98 D1.2@156.5,1520.67
NetD2_1: D2.1 M2.6 | length 301.7
  Bottom Layer w15: D2.1@430.12,1036.42 487.2,979.33 671.26,979.33 679.65,987.72 M2.6@679.65,1012.8
NetD2_2: D2.2 R27.1 | length 65.1
  Bottom Layer w20: R27.1@322.83,1058.07 357.28,1058.07 D2.2@378.94,1036.42
NetD3_1: D3.1 M12.6 | length 311
  Bottom Layer w10: D3.1@434.06,945.87 D3.1@430.12,949.8 522.64,949.8 568.9,903.54 646.65,903.54 679.65,870.55 M12.6@679.65,847.44
NetD3_2: D3.2 R28.1 | length 64.5
  Bottom Layer w20: R28.1@323.82,927.17 356.3,927.17 D3.2@378.94,949.8
NetD4_2: D4.2 M4.3 | length 186.2
  Top Layer w30: 1767.72,954.72 D4.2@1799.21,954.72 ; 1799.21,929.13 D4.2@1799.21,954.72 ; 1799.21,980.31 D4.2@1799.21,954.72 ; 1830.71,954.72 D4.2@1799.21,954.72
  Bottom Layer w20: 1700.79,948.82 1712.6,948.82 ; 1702.76,983.27 1712.6,983.27 ; v1(1723.51,918.35) 1724.55,919.39 M4.3@1724.55,968.26
  other v1: 1684.06,918.31
NetD5_1: D5.1 D6.1 M4.2 | length 208.3
  Bottom Layer w15: D5.1@1736.22,866.14 1736.22,889.76
  Bottom Layer w20: 1761.81,1005.91 1761.95,1006.05 M4.2@1761.95,1047 ; M4.2@1765.75,1031.5 1779.53,1031.5 ; M4.2@1766.73,1062.99 1779.53,1062.99
  Bottom Layer w30: D5.1@1736.22,866.14 1781.5,866.14 ; 1796.26,874.02 1798.23,872.05 D6.1@1842.51,872.05 1842.51,896.65
NetD8_1: D8.1 D9.2 L2.2 | length 74.8
  Top Layer w30: L2.2@1966.54,937.01 L2.2@1966.54,995.08
  Bottom Layer w30: D8.1@1960.63,972.44 D8.1@1960.63,989.17
  other v1: 2035.43,933.07 2035.43,972.44 2035.43,1011.81 1955.71,1053.15 1995.08,1053.15 2034.45,1053.15
NetD10_2: D10.2 L2.1 U8.18 | length 268.6
  Top Layer w15: U8.18@2087.6,551.18 2087.6,615.16 2125.98,653.54 2125.98,690.95 2203.74,768.7 v1(2203.74,771.65)
  other v1: 2203.74,811.02 2125,850.39 2164.37,850.39 2203.74,850.39
NetD12_2: D12.2 M7.4 R18.1 R58.2 | length 1481.2
  Top Layer w10: R58.2@1099.41,1311.02 1099.41,1284.45 v1(1125.98,1257.87) ; M7.4@1873.62,1785.04 1873.62,1756.3 1894.68,1735.24 v1(1911.42,1735.24)
  Mid Layer 1 w10: v1(1125.98,1257.87) 1164.37,1219.49 1258.86,1219.49 1361.22,1321.85 1413.39,1321.85 1441.93,1350.39 1649.61,1350.39 v1(1689.96,1310.04)
  Bottom Layer w10: v1(1689.96,1310.04) 1689.96,1556.1 1780.51,1646.65 R18.1@1780.51,1754.92 ; R18.1@1777.56,1754.92 R18.1@1780.51,1754.92 ; D12.2@1942.59,1687.33 1911.42,1718.5 v1(1911.42,1735.24) 1904.53,1728.35 1831.69,1728.35 1805.12,1754.92 R18.1@1780.51,1754.92
NetD13_1: D13.1 M2.3 | length 285.4
  Top Layer w10: v2(572.83,859.25) 571.85,860.24 571.85,882.87 582.68,893.7 v2(582.68,939.96)
  Bottom Layer w10: D13.1@430.12,859.25 v2(572.83,859.25) ; v2(582.68,939.96) 588.58,945.87 M2.3@637.28,945.87
NetD13_2: D13.2 R70.1 | length 64.5
  Bottom Layer w20: R70.1@323.82,881.89 356.3,881.89 D13.2@378.94,859.25
NetD14_1: D14.1 M12.3 | length 211.2
  Bottom Layer w15: D14.1@430.12,770.67 439.96,780.51 M12.3@637.28,780.51
NetD14_2: D14.2 R71.1 | length 63.3
  Bottom Layer w20: R71.1@323.82,750.98 359.25,750.98 D14.2@378.94,770.67
NetJ7_G1: J7.G1 R26.2 | length 155.6
  Top Layer w10: R26.2@888.78,1744.09 888.78,1803.15 v1(889.76,1804.13)
  Bottom Layer w10: v1(889.76,1804.13) 893.7,1808.07 J7.G1@893.7,1897.64
NetM1_2: M1.2 R8.2 | length 53.9
  Bottom Layer w10: R8.2@649.61,683.07 649.61,671.26 661.42,659.45 M1.2@661.42,634.06
NetM1_6: M1.6 R5.1 R7.2 S2.2 | length 377
  Bottom Layer w10: S2.2@572.83,343.5 502.95,413.39 502.95,547.24 517.91,562.2 R5.1@535.43,562.2 R7.2@582.68,562.2 638.27,562.2 M1.6@640.24,564.17
NetM3_1: M3.1 R14.1 U6.1 | length 1707.2
  Bottom Layer w10: U6.1@1413.19,1055.12 1413.19,987.4 1488.19,912.4 1488.19,801.18 1507.87,781.5 1590.55,781.5 1633.86,824.8 1877.95,824.8 1942.91,889.76 2313.98,889.76 2358.27,845.47 2358.27,508.86 2338.58,489.17 R14.1@2338.58,464.57
  Bottom Layer w15: R14.1@2338.58,464.57 2338.58,375.88 M3.1@2340.69,373.77
NetM6_1: M6.1 M8.3 R13.1 | length 1584.2
  Top Layer w10: v1(936.02,1267.72) 936.02,1307.09 962.6,1333.66 1016.73,1333.66 1031.5,1348.43 1259.84,1348.43 1276.57,1331.69 1320.87,1331.69 1346.46,1357.28 1602.12,1357.28 1620.82,1338.58 1718.5,1338.58 v1(1724.41,1332.68) ; v1(1805.12,1712.6) 1840.55,1712.6 1861.36,1691.79 M6.1@1898.87,1691.79 1944.74,1691.79 1957.68,1704.72 v1(1957.68,1752.95)
  Bottom Layer w10: M8.3@920.28,1240.67 920.28,1251.97 v1(936.02,1267.72) ; v1(1724.41,1332.68) 1707.68,1349.41 1707.68,1543.31 1799.21,1634.84 1799.21,1706.69 v1(1805.12,1712.6) ; R13.1@1953.74,1787.4 1957.68,1783.46 v1(1957.68,1752.95)
NetM6_2: M6.2 R17.1 U15.3 | length 307
  Top Layer w15: R17.1@1797.24,1596.46 1797.24,1649.61 v1(1826.77,1679.13)
  Top Layer w25: R17.1@1797.24,1596.46 1817.77,1616.98 M6.2@1898.87,1616.98
  Bottom Layer w10: v1(1826.77,1679.13) 1864.17,1679.13 1878.94,1664.37 U15.3@1878.94,1620.67
NetM7_1: M7.1 M7.2 M7.3 R6.1 | length 17.8
  Top Layer w40: R6.1@1681.5,1797.64 R6.1@1694.09,1785.04
NetM8_2: M8.2 R60.2 | length 93.5
  Bottom Layer w10: R60.2@845.47,1167.32 897.64,1219.49 M8.2@917.32,1219.49
NetM8_5: M8.5 R54.2 | length 133.8
  Top Layer w10: R54.2@949.8,1114.17 v1@949.8,1137.8
  Bottom Layer w10: v1(945.87,1139.76) 945.87,1156.5 957.93,1168.56 957.93,1207.93 969.49,1219.49 M8.5@990.16,1219.49
NetM8_6: M8.6 R58.1 | length 200.4
  Top Layer w10: v1(997.05,1300.2) 997.05,1304.13 1005.91,1312.99 R58.1@1048.23,1312.99
  Bottom Layer w10: M8.6@987.2,1198.31 1012.28,1198.31 1020.67,1206.69 1020.67,1275.59 996.06,1300.2 v1(997.05,1300.2)
NetM9_1: M9.1 M11.6 R62.1 | length 1299.1
  Top Layer w10: M11.6@1064.96,1229.84 1168.78,1229.84 1187.99,1210.63 1262.8,1210.63 1299.63,1247.46 1560.19,1247.46 1581.27,1226.38 v1(1602.36,1226.38) ; v1(1475.39,1771.65) 1504.92,1771.65 R62.1@1534.45,1742.13
  Bottom Layer w10: M9.1@1475.25,1820.13 1475.25,1771.8 v1(1475.39,1771.65) 1519.68,1727.36 1519.68,1494.09 1554.13,1459.65 1574.8,1459.65 1593.68,1440.77 1593.68,1272.46 1602.36,1263.78 v1(1602.36,1226.38)
NetM9_2: M9.2 R63.1 U17.3 | length 307.2
  Top Layer w20: v1(1411.42,1749.02) 1411.42,1694.88 1494.09,1612.2 R63.1@1499.02,1612.2
  Bottom Layer w10: U17.3@1406.5,1695.47 1406.5,1744.09 v1(1411.42,1749.02)
  Bottom Layer w20: M9.2@1400.45,1820.13 1400.45,1759.98 v1(1411.42,1749.02)
NetM10_1: M10.1 M11.3 R64.1 | length 934.9
  Top Layer w10: v1(960.63,1293.31) 960.63,1208.85 982,1187.48 M11.3@998.03,1187.48 ; v1(1049.21,1455.71) 1127.95,1534.45 1127.95,1837.6 1170.28,1879.92 v1(1218.5,1879.92) 1219.35,1880.76 M10.1@1265.01,1880.76
  Mid Layer 1 w10: v1(960.63,1293.31) 960.63,1309.06 1049.21,1397.64 v1(1049.21,1455.71)
  Bottom Layer w10: v1(1218.5,1879.92) 1233.27,1865.16 R64.1@1248.03,1865.16
NetM10_2: M10.2 R65.1 U18.3 | length 281.7
  Top Layer w10: U18.3@1250.67,1693.5 1250.67,1725.08 1265.75,1740.16 R65.1@1366.14,1740.16
  Top Layer w20: M10.2@1265.01,1805.96 1300.34,1805.96 R65.1@1366.14,1740.16
NetM11_2: M11.2 R66.2 | length 136
  Top Layer w10: R66.2@954.72,1174.21 968.5,1174.21 977.36,1165.35 1019.68,1165.35 1024.61,1170.28 1024.61,1195.87 1011.81,1208.66 M11.2@995.08,1208.66
NetM11_5: M11.5 R67.2 | length 489.6
  Top Layer w10: v1(939.96,952.76) 969.49,952.76 1032.48,1015.75 1032.48,1099.41 1091.54,1158.46 1091.54,1199.8 1082.68,1208.66 M11.5@1067.91,1208.66
  Bottom Layer w10: R67.2@814.96,928.15 915.35,928.15 v1(939.96,952.76)
NetR4_2: R4.2 U1.52 | length 108.3
  Top Layer w10: U1.52@799.21,625.98 839.57,625.98 868.11,597.44 R4.2@895.67,597.44
NetR6_2: R6.2 U13.3 | length 204.6
  Top Layer w10: R6.2@1606.5,1815.16 1606.5,1720.28 v1@1626.18,1700.59
  Bottom Layer w10: U13.3@1616.14,1618.5 1616.14,1678.15 v1(1631.89,1693.9)
NetR6_4: R6.4 U13.1 U13.2 | length 150.5
  Top Layer w10: R6.4@1706.5,1545.08 1706.5,1622.83 v1(1706.69,1623.03)
  Bottom Layer w10: U13.2@1636.14,1618.5 1640.67,1623.03 v1(1706.69,1623.03)
NetR15_1: R15.1 R25.2 U5.5 | length 188.2
  Top Layer w10: R25.2@1560.17,322.97 U5.5@1654.53,322.97 1654.53,351.38 R15.1@1700.79,397.64
NetR19_1: R19.1 U1.3 | length 85.6
  Top Layer w10: R19.1@107.28,1039.37 U1.3@192.91,1039.37
NetR35_1: R35.1 R39.2 U8.13 | length 207.2
  Top Layer w10: U8.13@2215.55,551.18 2215.55,604.33 2237.2,625.98 R35.1@2237.2,638.78 2237.2,648.62 v1(2272.64,684.06)
  Bottom Layer w10: v1(2272.64,684.06) 2278.54,689.96 R39.2@2320.87,689.96
NetR37_2: R37.2 U8.8 | length 115.7
  Top Layer w10: U8.8@2215.55,322.83 2215.55,227.36 R37.2@2229.82,213.09
NetR40_2: R40.2 U8.7 | length 116.9
  Top Layer w10: R40.2@2176.18,211.61 2189.96,225.39 U8.7@2189.96,322.83
NetR41_2: R41.2 U8.6 | length 127.7
  Top Layer w10: R41.2@2126.97,210.63 2164.37,248.03 U8.6@2164.37,322.83
NetR56_2: R56.2 R57.2 U14.3 | length 160.9
  Top Layer w10: v1(1062.99,841.54) 1065.94,844.49 R56.2@1103.35,844.49
  Bottom Layer w10: R57.2@971.46,798.23 U14.3@1036.42,798.23 1036.42,814.96 v1(1062.99,841.54)
NetR75_1: R75.1 U1.98 | length 94.3
  Top Layer w10: v1(297.24,1088.58) 299.21,1090.55 U1.98@299.21,1145.67
  Bottom Layer w10: v1(297.24,1088.58) R75.1@297.24,1125
NetR76_1: R76.1 U1.99 | length 91.9
  Top Layer w10: R76.1@266.73,1232.28 279.53,1219.49 U1.99@279.53,1145.67
NetR77_1: R77.1 U1.100 | length 173
  Top Layer w10: U1.100@259.84,1145.67 260.09,1145.67 260.09,1091.28 271.65,1079.72 v1(271.65,1059.06)
  Bottom Layer w10: R77.1@244.09,1128.94 244.09,1086.61 v1(271.65,1059.06)